# Allegro board MB1219_REVB_160112.brd (continued)
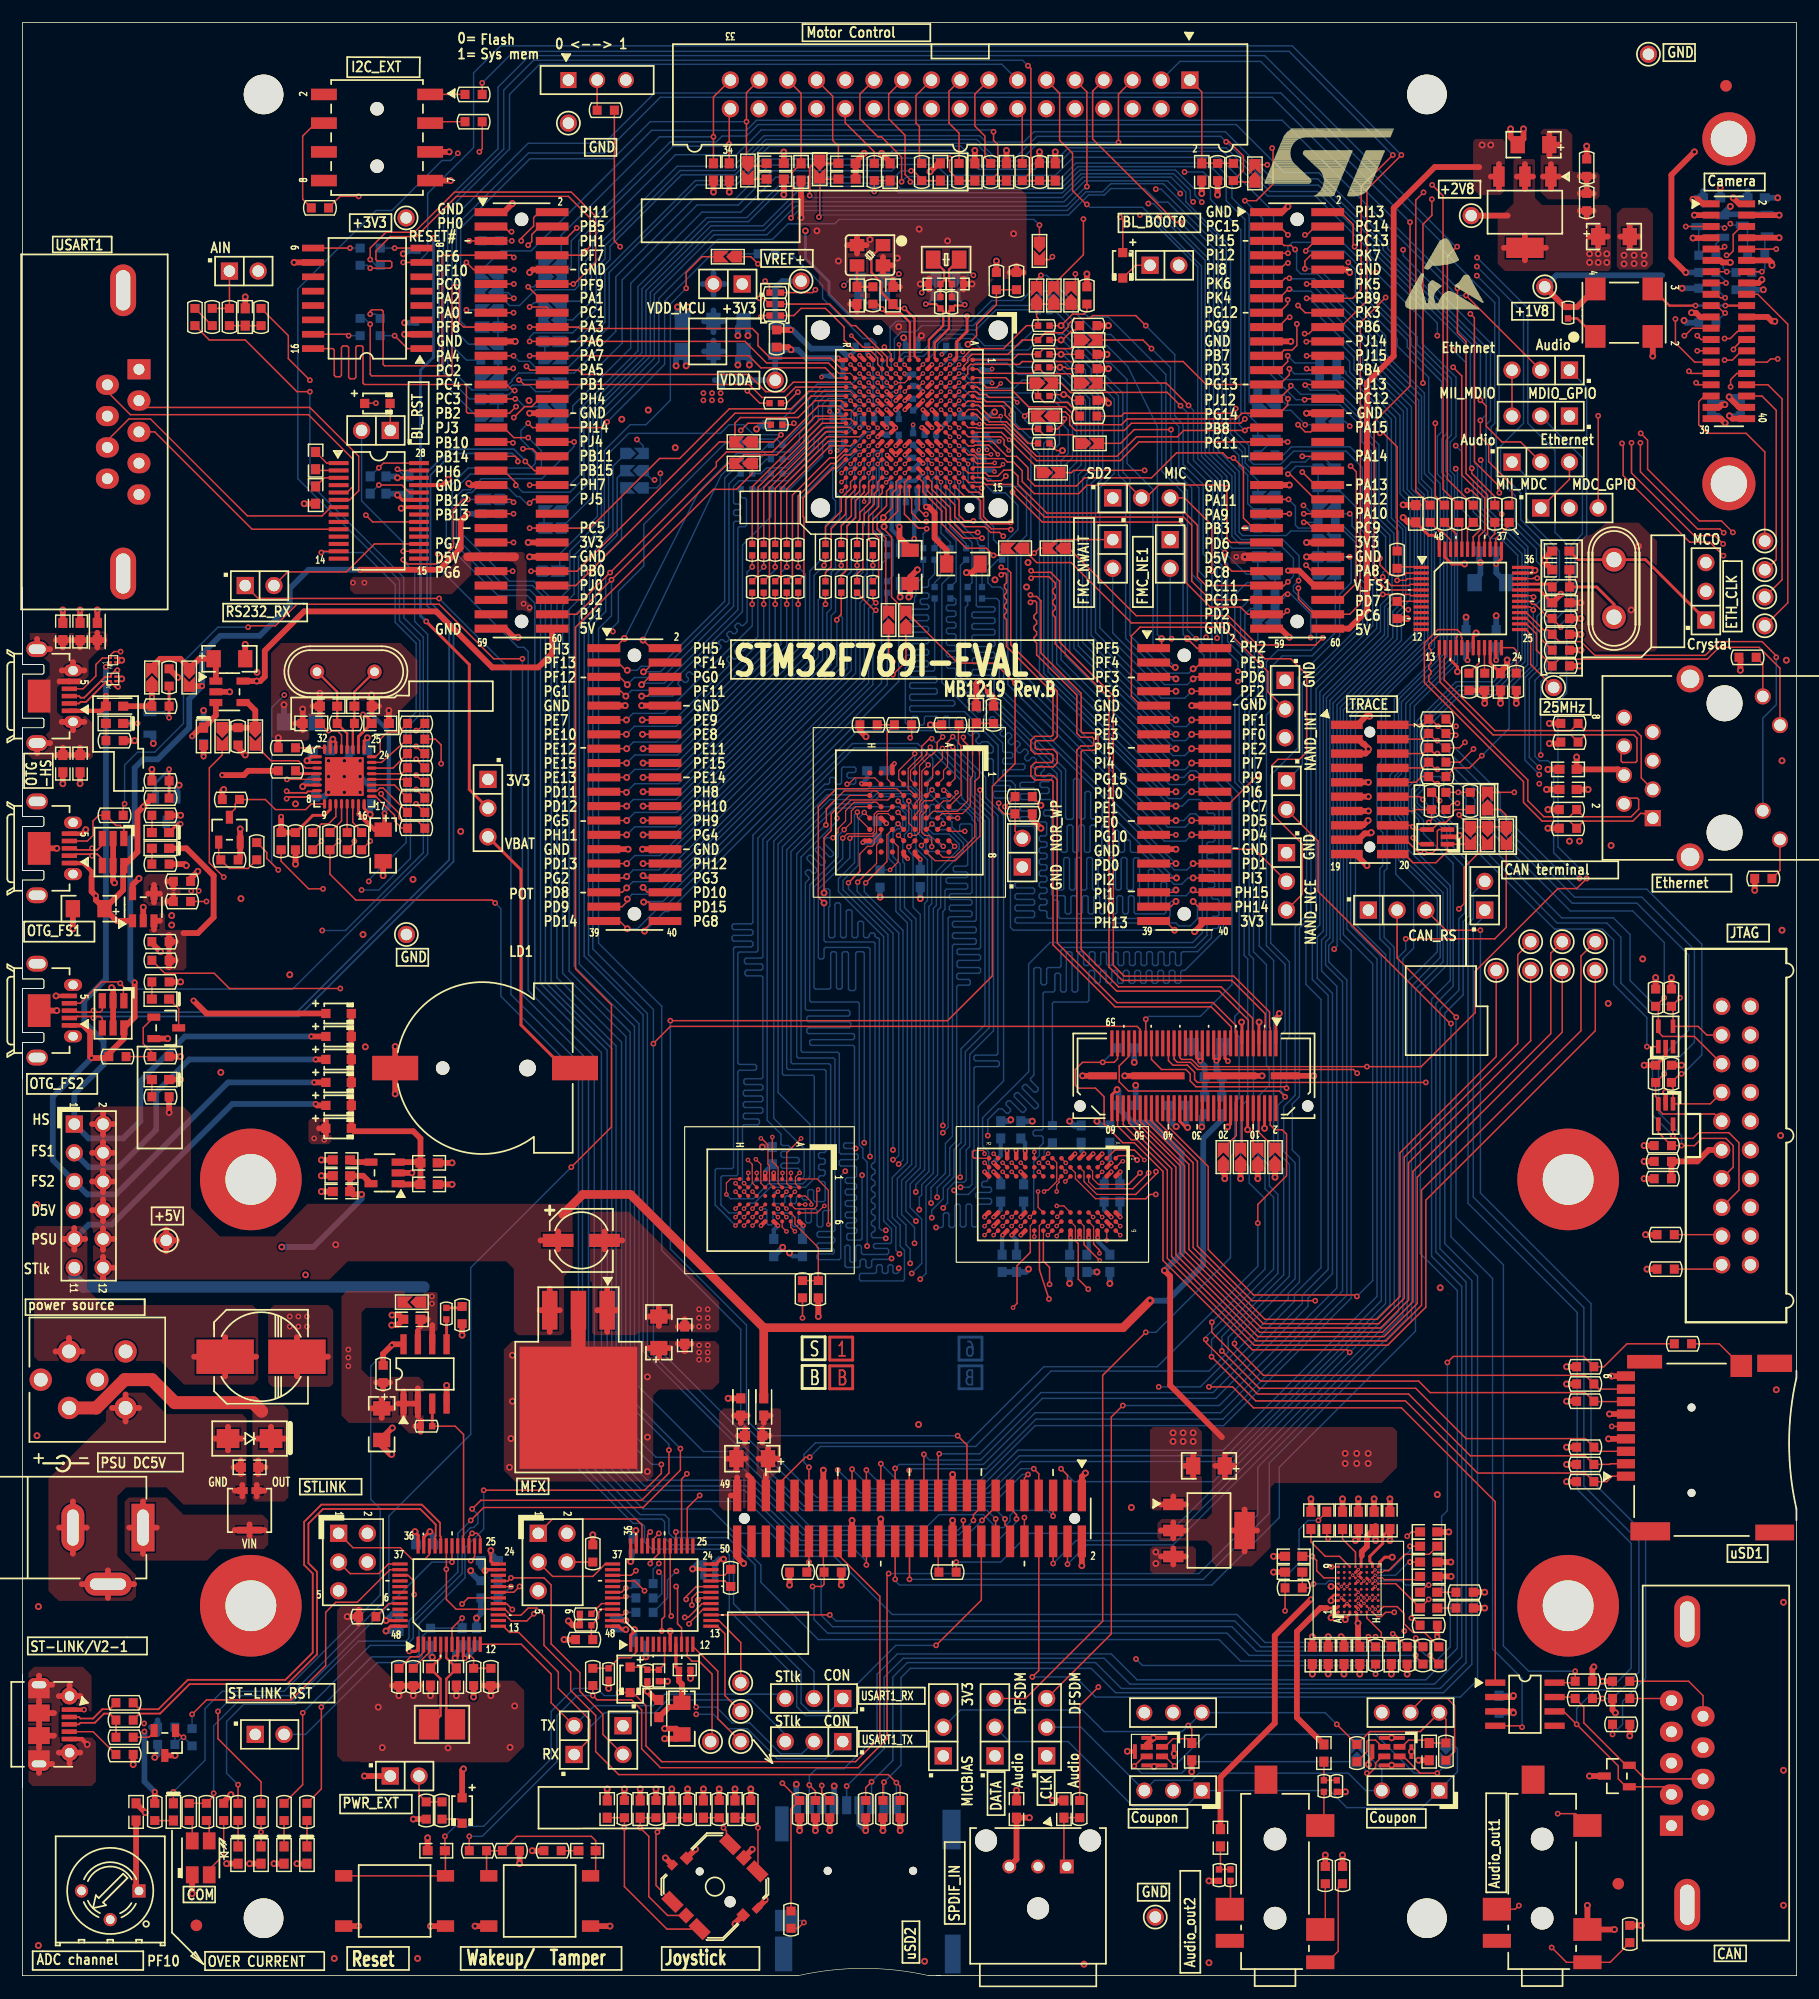
[diagram p0: board, top side]
## Routing (per net, layer and track width the routed paths; a pad name or vN(x,y) marks a point on that pad's centre or on a via; arc(x,y) is an arc through that point) (continued)
  L4_SIG w0.102: v5(81.33,108.53) 81.92,107.95 96.95,107.95 101.98,112.98 102.77,112.98 v4(103.38,113.59) ; v3(91.44,68.07) 91.06,68.45 84.46,68.45 84.45,68.46 84.06,68.46 83.49,67.89 v1(81.41,67.89) 79.93,67.89 79.66,68.17 71.07,68.17 70.97,68.07 v3(70.89,68.07)
  BOTTOM w0.127: v5(81.33,108.53) 81.33,108.51 83.92,105.92 83.92,104.36 85.85,102.43 85.85,83.57 83.74,81.46 83.74,73.33 83.44,73.03 83.44,70.36 83.25,70.17 82.42,70.17 81.79,69.54 81.79,68.33 81.41,67.94 v1(81.41,67.89) ; v4(103.38,113.59) 102.77,112.98 100.69,112.98 94.87,118.8 94.87,131.8 95.5,132.43 95.5,139.92 93.98,141.45 93.98,141.99 92.08,143.89 91.57,143.89 R243.2
A3: length 142.2
  TOP w0.102: 82.45,107.95 82.45,105.88 81.94,105.37 U9.A2 ; v3(92.2,70.23) U15.F3 ; U16.B3 v3(68.29,69.33)
  TOP w0.127: v5(82.25,108.66) 82.45,108.46 82.45,107.95 ; CN11.5 101.8,114.86 v4(101.98,114.68)
  L4_SIG w0.102: v3(92.2,70.23) 93.22,70.23 93.34,70.36 93.34,70.56 93.22,70.69 91.9,70.69 91.77,70.56 91.77,70.13 91.67,70.03 91.52,70.03 91.41,70.13 91.41,70.66 91.31,70.76 91.16,70.76 91.06,70.66 91.06,70.15 90.93,70.03 83.24,70.03 v1(82.93,69.72) 82.61,70.04 70.32,70.04 69.75,69.47 68.43,69.47 v3(68.29,69.33) ; v5(82.25,108.66) 82.25,108.69 82.6,109.04 83.41,109.04 83.97,109.6 96.77,109.6 101.85,114.68 v4(101.98,114.68)
  BOTTOM w0.127: v4(101.98,114.68) 101.12,114.68 97.54,118.26 97.54,132.08 96.9,132.72 96.9,139.7 95,141.6 95,142.24 92.08,145.16 91.57,145.16 R240.2 ; v1(82.93,69.72) 83.69,69.72 83.95,69.98 83.95,72.9 84.12,73.08 84.12,80.26 84.25,80.39 86.23,80.39 86.36,80.52 86.36,80.77 86.23,80.9 84.25,80.9 84.12,81.03 84.12,81.28 84.25,81.41 86.11,81.41 86.23,81.53 86.23,102.59 84.23,104.59 84.23,106.37 82.25,108.35 v5(82.25,108.66)
A4: length 143
  TOP w0.102: U16.B4 68.3,67.82 69.98,67.82 70.23,68.07 70.23,69.36 70.35,69.47 v3(70.35,69.52) ; U9.B2 81.43,105.89 81.43,106.58 81.79,106.93 81.79,107.95 ; v3(92.24,71.88) 92.2,71.92 92.2,71.94 U15.G1
  TOP w0.127: v5(82.25,109.58) 82.25,109.55 81.79,109.09 81.79,107.95 ; CN11.3 101.17,116.13 101.6,115.7 v4(101.93,115.7)
  L4_SIG w0.102: v4(101.93,115.7) 101.6,115.7 96.39,110.49 83.49,110.49 82.58,109.58 v5(82.25,109.58) ; v3(92.24,71.88) 93.73,71.88 93.85,71.75 93.85,69.82 93.73,69.7 83.54,69.7 83.11,69.27 82.61,69.27 82.44,69.44 v1(82.36,69.44) 82.07,69.74 70.61,69.74 70.39,69.52 v3(70.35,69.52)
  BOTTOM w0.127: R238.2 91.31,147.19 95.9,142.61 96.22,142.61 97.66,141.16 97.66,133.73 99.95,131.44 99.95,117.68 v4(101.93,115.7) ; v5(82.25,109.58) 82.68,109.14 82.68,108.46 82.96,108.18 85.17,105.97 85.17,104.19 86.74,102.62 86.74,79.12 84.51,76.89 84.51,72.92 84.33,72.74 84.33,69.77 83.64,69.09 82.72,69.09 v1(82.36,69.44)
A5: length 140.1
  TOP w0.102: U16.C3 v3(67.54,69.33) ; v3(92.22,71.1) 92.2,71.12 92.2,71.15 U15.G2 ; U9.D3 78.31,104.97 78.31,106.76 79.5,107.95
  TOP w0.127: v4(100.71,118.24) 100.71,117.6 100.51,117.4 CN11.1 ; v5(80.39,109.4) 80.19,109.4 79.5,108.71 79.5,107.95
  L4_SIG w0.102: v3(92.22,71.1) 93.38,71.1 93.5,71.22 93.5,71.38 93.38,71.5 91.76,71.5 91.66,71.4 91.66,71.17 91.56,71.07 91.36,71.07 91.26,71.17 91.26,71.38 91.13,71.5 90.95,71.5 90.83,71.38 90.83,71.12 90.7,70.99 90.37,70.99 90.25,70.87 90.25,70.74 90.37,70.61 90.65,70.61 90.78,70.48 90.78,70.36 90.65,70.23 84.56,70.23 84.18,70.61 v1(82.91,70.61) 82.65,70.36 70.31,70.36 69.75,69.8 68.01,69.8 v3(67.54,69.33) ; v5(80.39,109.4) 80.44,109.4 82.04,111 93.47,111 93.8,111.33 94.61,111.33 97.9,114.62 97.9,115.43 v4(100.71,118.24)
  BOTTOM w0.127: v4(100.71,118.24) 100.34,118.61 100.34,136.99 97.73,142.3 95.87,144.16 95.11,144.16 R237.2 ; v5(80.39,109.4) 80.87,108.92 80.87,108.36 81.28,107.95 83.54,105.69 83.54,104.2 85.47,102.27 85.47,83.82 83.36,81.71 83.36,73.52 82.91,73.06 v1(82.91,70.61)
A6: length 139.1
  TOP w0.102: U15.G3 91.64,70.47 91.64,70.15 91.44,69.94 v3(91.44,69.34) ; U16.C4 v3(67.54,67.83) ; U9.C3 v5(80.41,104.87)
  TOP w0.127: CN10.5 52.78,114.86 v4(53.47,114.17)
  L4_SIG w0.102: v3(67.54,67.83) 68.26,68.55 79.7,68.55 79.93,68.33 v1(80.33,68.33) 83.49,68.33 83.93,68.76 84.39,68.76 84.45,68.71 90.81,68.71 v3(91.44,69.34) ; v5(80.41,104.87) 78.52,104.87 69.72,113.67 54.48,113.67 53.98,114.17 v4(53.47,114.17)
  BOTTOM w0.127: v1(80.33,68.33) 80.33,69.7 81.6,70.97 81.6,73.6 82.22,74.22 82.22,91.08 82.35,91.21 84.2,91.21 84.33,91.34 84.33,91.59 84.2,91.72 82.35,91.72 82.22,91.85 82.22,92.1 82.35,92.23 84.2,92.23 84.33,92.35 84.33,92.61 84.2,92.74 82.35,92.74 82.22,92.86 82.22,93.12 82.35,93.24 84.2,93.24 84.33,93.37 84.33,101.88 83.95,102.26 83.95,102.49 83.31,103.12 82.17,103.12 81.74,103.55 81.74,103.73 81.8,103.79 81.8,103.97 81.62,104.15 81.44,104.15 81.38,104.09 81.2,104.09 80.42,104.87 v5(80.41,104.87) ; R259.2 66.04,132.84 65.41,132.21 63.37,132.21 62.87,131.7 62.87,130.27 62.99,130.14 63.37,130.14 63.5,130.02 63.5,129.76 63.37,129.63 62.99,129.63 62.87,129.51 62.87,129.25 62.99,129.13 63.37,129.13 63.5,129 63.5,128.75 63.37,128.62 62.99,128.62 62.87,128.49 62.87,121.11 56.57,114.81 54.1,114.81 v4(53.47,114.17)
A7: length 141.2
  TOP w0.102: U16.D4 v3(66.79,67.83) ; U9.A3 v5(81.45,104.83) ; U15.H1 91.44,71.91 91.44,70.23 90.68,69.47 90.45,69.47 v3(90.32,69.34)
  TOP w0.127: CN10.3 52.65,116.13 53.34,115.44 v4(53.47,115.44)
  L4_SIG w0.102: v3(66.79,67.83) 67.72,68.76 69.49,68.76 69.6,68.86 80.84,68.86 v1(80.87,68.83) 81.07,68.63 83.36,68.63 83.82,69.09 84.45,69.09 84.56,68.99 90.27,68.99 90.32,69.04 v3(90.32,69.34) ; v4(53.47,115.44) 54.13,114.78 70.64,114.78 79.88,105.54 80.74,105.54 v5(81.45,104.83)
  BOTTOM w0.127: v4(53.47,115.44) 54.34,115.44 54.69,115.8 56.34,115.8 62.08,121.54 62.08,132.44 63.12,133.48 65.15,133.48 65.79,134.11 R257.2 ; v1(80.87,68.83) 80.87,69.69 81.98,70.81 81.98,73.22 82.6,73.84 82.6,87.47 82.73,87.6 83.67,87.6 83.79,87.72 83.79,87.98 83.67,88.1 82.73,88.1 82.6,88.23 82.6,88.52 82.73,88.65 84.58,88.65 84.71,88.77 84.71,89.03 84.58,89.15 82.75,89.15 82.63,89.28 82.63,89.66 82.75,89.79 84.58,89.79 84.71,89.92 84.71,90.17 84.58,90.3 82.75,90.3 82.63,90.42 82.63,90.68 82.75,90.81 84.58,90.81 84.71,90.93 84.71,101.95 84.45,102.21 84.45,102.36 83.19,103.63 82.91,103.63 81.71,104.83 v5(81.45,104.83)
A8: length 145.4
  TOP w0.102: U9.B6 81.41,101.87 v5(81.41,101.88) ; U16.H2 v3(63.04,70.08) ; v3(90.66,71.89) U15.H2
  TOP w0.127: v4(54.9,115.3) 54.91,115.32 54.99,115.32 55.8,116.13 CN10.4
  L4_SIG w0.102: v5(81.41,101.88) 81.92,102.39 81.92,104.92 81.1,105.74 80.11,105.74 70.55,115.3 v4(54.9,115.3) ; v3(90.66,71.89) 90.66,72.18 90.27,72.57 90.27,74.68 89.87,75.08 88.47,75.08 88.37,75.18 88.37,75.64 88.27,75.74 88.06,75.74 87.96,75.64 87.96,75.18 87.86,75.08 87,75.08 86.87,75.21 86.87,76.23 86.74,76.35 86.59,76.35 86.46,76.23 86.46,75.84 86.33,75.72 86.08,75.72 85.98,75.82 85.98,76.23 85.86,76.35 85.69,76.35 85.57,76.23 85.57,75.82 85.47,75.72 85.27,75.72 85.17,75.82 85.17,76.23 85.05,76.35 84.88,76.35 84.76,76.23 84.76,75.82 84.66,75.72 84.45,75.72 84.35,75.82 84.35,76.23 84.23,76.35 84.07,76.35 83.95,76.23 83.95,75.82 83.85,75.72 83.64,75.72 83.54,75.82 83.54,76.23 83.42,76.35 83.25,76.35 83.13,76.23 83.13,75.82 83.03,75.72 82.83,75.72 82.73,75.82 82.73,76.33 82.61,76.45 82.44,76.45 82.32,76.33 82.32,75.82 82.22,75.72 81.99,75.72 81.86,75.84 81.86,76.33 81.74,76.45 81.5,76.45 81.37,76.33 v1(81.37,75.18) 64.9,75.18 63.37,73.66 63.37,70.94 63.04,70.61 v3(63.04,70.08)
  BOTTOM w0.127: v1(81.37,75.18) 81.37,94.09 81.56,94.28 81.56,95.96 81.69,96.09 83.44,96.09 83.57,96.22 83.57,96.47 83.44,96.6 81.79,96.6 81.66,96.72 81.66,96.98 81.79,97.1 83.44,97.1 83.57,97.23 83.57,97.49 83.44,97.61 82.42,97.61 82.3,97.74 82.3,97.99 82.42,98.12 83.44,98.12 83.57,98.25 83.57,100.2 82.18,101.59 82.18,102.02 81.33,102.87 80.85,102.87 80.72,103 80.72,103.45 80.59,103.58 80.34,103.58 80.21,103.45 80.21,102.46 80.34,102.34 81.28,102.34 81.41,102.21 v5(81.41,101.88) ; v4(54.9,115.3) 54.91,115.32 56.41,115.32 62.46,121.36 62.46,131.93 63.37,132.84 R260.2
A9: length 145.2
  TOP w0.102: v5(83.31,101.21) 82.07,101.21 U9.A6 ; v3(89.86,71.09) U15.J3 ; U16.H3 v3(63.04,69.33)
  TOP w0.127: CN10.18 v4(54.86,107.24)
  L4_SIG w0.102: v3(89.86,71.09) 89.86,71.34 90.22,71.7 90.22,72.21 89.92,72.52 89.92,74.6 89.79,74.73 86.56,74.73 86.46,74.83 86.46,75.29 86.36,75.39 86.15,75.39 86.05,75.29 86.05,74.74 85.93,74.63 85.76,74.63 85.64,74.74 85.64,75.29 85.52,75.41 85.36,75.41 85.24,75.29 85.24,74.8 85.12,74.68 84.95,74.68 84.83,74.8 84.83,75.29 84.71,75.41 84.54,75.41 84.42,75.29 84.42,74.54 84.31,74.42 84.14,74.42 84.02,74.54 84.02,75.29 83.9,75.41 83.73,75.41 83.61,75.29 83.61,74.54 83.49,74.42 83.32,74.42 83.21,74.54 83.21,75.29 83.09,75.41 82.92,75.41 82.8,75.29 82.8,74.55 82.67,74.42 82.45,74.42 82.32,74.55 82.32,75.29 82.19,75.41 81.97,75.41 81.84,75.29 81.84,74.68 81.71,74.55 v1(81.37,74.55) 64.9,74.55 63.75,73.41 63.75,70.93 63.43,70.61 63.43,69.72 v3(63.04,69.33) ; v4(54.86,107.24) 64.92,107.24 70.84,101.32 71.25,101.32 71.78,101.85 72.69,101.85 73.04,101.51 76.51,101.51 76.54,101.48 78.9,101.48 79.54,100.84 82.17,100.84 82.54,101.21 v5(83.31,101.21)
  BOTTOM w0.127: v5(83.31,101.21) 82.98,101.21 82.85,101.33 82.85,101.73 82.98,101.85 83.82,101.85 83.95,101.73 83.95,95.81 83.82,95.68 82.07,95.68 81.94,95.55 81.94,95.3 82.07,95.17 83.82,95.17 83.95,95.05 83.95,94.79 83.82,94.67 82.07,94.67 81.94,94.54 81.94,94.28 82.07,94.16 83.82,94.16 83.95,94.03 83.95,93.78 83.82,93.65 81.97,93.65 81.84,93.52 81.84,75.03 81.37,74.56 v1(81.37,74.55) ; R271.2 68.07,125.09 68.07,123.76 67.94,123.63 67.69,123.63 67.56,123.51 67.56,123.25 67.69,123.12 67.94,123.12 68.07,123 68.07,117.47 57.91,107.31 54.94,107.31 v4(54.86,107.24)
A10: length 143.7
  TOP w0.102: U16.H4 v3(63.04,67.83) ; U9.C6 79.93,101.37 v5(80.41,101.85) ; v3(91.48,67.11) U15.G7
  TOP w0.127: CN10.6 55.42,114.86 v4(54.74,114.17)
  L4_SIG w0.102: v3(91.48,67.11) 91.8,66.8 91.8,65.2 90.18,63.59 89.32,63.59 88.75,63.02 88.58,63.02 88.09,63.51 87.94,63.51 87.8,63.37 87.8,63.22 88.38,62.64 88.38,62.47 88.26,62.35 88.09,62.35 87.51,62.93 87.37,62.93 87.23,62.79 87.23,62.65 87.76,62.12 87.76,62.02 87.34,61.59 v1(79.38,61.59) 67.23,61.59 62.61,66.22 62.61,67.4 v3(63.04,67.83) ; v5(80.41,101.85) 80.8,102.25 80.8,105.03 80.57,105.26 79.65,105.26 70.74,114.17 v4(54.74,114.17)
  BOTTOM w0.127: v5(80.41,101.85) 80.92,101.35 81.99,101.35 83.19,100.15 83.19,99.44 81.18,97.43 81.18,94.49 80.91,94.22 80.91,70.82 79.88,69.79 79.88,62.1 v1(79.38,61.59) ; R262.2 63.5,130.81 63.63,130.68 63.88,130.68 64.01,130.56 64.01,128.27 63.88,128.14 63.37,128.14 63.25,128.02 63.25,120.8 56.74,114.3 54.86,114.3 v4(54.74,114.17)
A11: length 144.1
  TOP w0.102: U16.H5 v3(63.04,67.08) ; U9.D6 78.36,101.92 v5(78.36,103.89) ; v3(90.66,65.49) U15.H9
  TOP w0.127: v4(53.34,113.16) 52.91,113.59 CN10.7
  L4_SIG w0.102: v4(53.34,113.16) 53.98,112.52 53.98,112.14 54.48,111.63 55.56,111.63 55.67,111.73 55.67,111.91 55.77,112.01 55.97,112.01 56.07,111.91 56.07,111.73 56.17,111.63 56.38,111.63 56.48,111.73 56.48,111.91 56.58,112.01 56.78,112.01 56.89,111.91 56.89,111.73 56.99,111.63 57.19,111.63 57.29,111.73 57.29,111.91 57.39,112.01 57.6,112.01 57.7,111.91 57.7,111.73 57.8,111.63 58,111.63 58.1,111.73 58.1,111.91 58.21,112.01 58.41,112.01 58.51,111.91 58.51,111.73 58.61,111.63 58.82,111.63 58.92,111.73 58.92,111.91 59.02,112.01 59.22,112.01 59.32,111.91 59.32,111.73 59.43,111.63 59.63,111.63 59.73,111.73 59.73,111.91 59.83,112.01 60.03,112.01 60.14,111.91 60.14,111.73 60.24,111.63 60.44,111.63 60.54,111.73 60.54,111.91 60.64,112.01 60.85,112.01 60.95,111.91 60.95,111.73 61.05,111.63 61.25,111.63 61.36,111.73 61.36,111.91 61.46,112.01 61.66,112.01 61.76,111.91 61.76,111.73 61.86,111.63 62.07,111.63 62.17,111.73 62.17,111.91 62.27,112.01 62.47,112.01 62.57,111.91 62.57,111.73 62.68,111.63 71.25,111.63 78.36,104.52 v5(78.36,103.89) ; v3(90.66,65.49) 90.66,64.52 90.18,64.05 89.15,64.05 89.05,64.15 89.05,65.03 88.93,65.15 88.77,65.15 88.65,65.03 88.65,64.15 88.54,64.05 88.02,64.05 86.71,62.73 86.71,62.59 86.93,62.36 86.93,62.22 86.79,62.08 86.65,62.08 86.42,62.3 86.28,62.3 86.08,62.1 v1(78.61,62.1) 67.31,62.1 63.4,66.02 63.4,66.72 v3(63.04,67.08)
  BOTTOM w0.127: v4(53.34,113.16) 53.85,113.67 56.69,113.67 63.65,120.62 63.65,126.52 66.17,129.03 R261.2 ; v1(78.61,62.1) 79.5,62.99 79.5,66.9 78.49,67.92 78.49,70.01 79.76,71.28 79.76,94.82 80.01,95.07 80.01,98.68 78.99,99.69 78.99,100.84 78.87,100.97 78.87,103.38 v5(78.36,103.89)
A12: length 126
  TOP w0.102: v3(63.79,69.33) U16.G3 ; U9.B7 v5(81.41,99.87)
  TOP w0.127: v4(53.42,97.21) 53.29,97.08 CN10.33
  L4_SIG w0.102: v5(81.41,99.87) 81.41,99.87 81.41,98.68 79.78,97.05 75.41,97.05 75.08,97.38 55.68,97.38 55.02,96.72 54.28,96.72 53.8,97.21 v4(53.42,97.21)
  BOTTOM w0.127: v3(63.79,69.33) 64.77,70.31 68.72,70.31 69.11,70.7 69.11,73.13 66.42,75.82 66.42,100.33 70.99,104.9 74.68,104.9 74.93,105.16 78.52,105.16 79.63,104.05 79.63,101.47 81.23,99.87 v5(81.41,99.87) ; R279.2 73.66,122.17 73.66,115.19 56.26,97.79 54,97.79 v4(53.42,97.21)
A13: length 131.7
  TOP w0.102: v3(63.79,67.83) U16.G4 ; U9.A7 v5(82.41,99.87)
  TOP w0.127: v4(54.86,97.28) 55.07,97.08 CN10.34
  L4_SIG w0.102: v5(82.41,99.87) 81.95,100.33 81.31,100.33 80.9,99.92 80.9,98.81 79.48,97.38 75.59,97.38 75.26,97.71 55.45,97.71 55.02,97.28 v4(54.86,97.28)
  BOTTOM w0.127: R267.2 74.68,125.09 74.68,123.96 74.42,123.7 74.42,121.79 74.04,121.41 74.04,114.81 56.44,97.21 54.94,97.21 v4(54.86,97.28) ; v5(82.41,99.87) 81.96,99.42 80.16,99.42 79.88,99.69 79.88,100.33 79.12,101.09 79.12,103.89 78.49,104.52 75.5,104.52 74.99,104.01 71.37,104.01 67.18,99.82 67.18,79.76 67.31,79.63 69.88,79.63 70,79.5 70,70.51 69.22,69.72 66.12,69.72 64.72,68.33 64.29,68.33 v3(63.79,67.83)
A14: length 139.7
  TOP w0.102: U16.F3 v3(64.54,69.33) ; U15.J7 89.79,67.96 v3(89.79,69.34) ; v5(79.48,99.95) 79.49,99.95 U9.C7
  TOP w0.127: CN10.28 v4(54.86,100.89)
  L4_SIG w0.102: v3(64.54,69.33) 64.65,69.33 65.02,68.96 69.15,68.96 69.35,69.16 70.7,69.16 70.84,69.31 v1(78.98,69.31) 79.09,69.42 79.89,69.42 80,69.32 80,69.27 80.1,69.16 80.3,69.16 80.4,69.27 80.4,69.32 80.5,69.42 81.03,69.42 81.15,69.29 81.15,69.16 81.28,69.04 81.43,69.04 81.56,69.16 81.56,69.31 81.67,69.42 81.83,69.42 81.94,69.31 81.94,69.06 82.07,68.94 83.24,68.94 83.7,69.39 84.39,69.39 84.44,69.34 v3(89.79,69.34) ; v5(79.48,99.95) 78.84,99.31 78.21,99.31 77.57,98.68 68.2,98.68 65.99,100.89 65.02,100.89 64.92,100.79 64.92,100.05 64.82,99.95 64.62,99.95 64.51,100.05 64.51,100.79 64.41,100.89 64.21,100.89 64.11,100.79 64.11,100.05 64.01,99.95 63.8,99.95 63.7,100.05 63.7,100.79 63.6,100.89 63.4,100.89 63.3,100.79 63.3,100.05 63.19,99.95 62.99,99.95 62.89,100.05 62.89,100.79 62.79,100.89 62.58,100.89 62.48,100.79 62.48,100.05 62.38,99.95 62.18,99.95 62.08,100.05 62.08,100.79 61.97,100.89 61.77,100.89 61.67,100.79 61.67,100.05 61.57,99.95 61.37,99.95 61.26,100.05 61.26,100.79 61.16,100.89 60.96,100.89 60.86,100.79 60.86,100.05 60.76,99.95 60.55,99.95 60.45,100.05 60.45,100.79 60.35,100.89 60.15,100.89 60.04,100.79 60.04,100.05 59.94,99.95 59.74,99.95 59.64,100.05 59.64,100.79 59.54,100.89 59.33,100.89 59.23,100.79 59.23,100.05 59.13,99.95 58.93,99.95 58.83,100.05 58.83,100.79 58.72,100.89 58.52,100.89 58.42,100.79 58.42,100.05 58.32,99.95 58.11,99.95 58.01,100.05 58.01,100.79 57.91,100.89 57.71,100.89 57.61,100.79 57.61,100.05 57.5,99.95 57.3,99.95 57.2,100.05 57.2,100.79 57.1,100.89 56.89,100.89 56.79,100.79 56.79,100.05 56.69,99.95 56.49,99.95 56.39,100.05 56.39,100.79 56.29,100.89 56.08,100.89 55.98,100.79 55.98,100.05 55.88,99.95 55.68,99.95 55.57,100.05 55.57,100.79 55.47,100.89 v4(54.86,100.89)
  BOTTOM w0.127: v5(79.48,99.95) 79.48,99.72 80.39,98.81 80.39,94.79 80.14,94.54 80.14,71.12 78.98,69.96 v1(78.98,69.31) ; v4(54.86,100.89) 54.94,100.97 57.66,100.97 72.49,115.8 72.49,120.11 72.39,120.21 R280.2
A15: length 143
  TOP w0.102: U16.F4 v3(64.54,67.83) ; v3(90.66,66.29) U15.H8 ; U9.D7 78.91,100.37 78.37,99.83 v5(78.36,99.83)
  TOP w0.127: CN10.25 v4(53.42,102.16)
  L4_SIG w0.102: v4(53.42,102.16) 54.1,101.47 55.95,101.47 56.05,101.57 56.05,102.16 56.16,102.26 56.36,102.26 56.46,102.16 56.46,101.57 56.56,101.47 56.76,101.47 56.87,101.57 56.87,102.16 56.97,102.26 57.17,102.26 57.27,102.16 57.27,101.57 57.37,101.47 57.58,101.47 57.68,101.57 57.68,102.16 57.78,102.26 57.98,102.26 58.09,102.16 58.09,101.57 58.19,101.47 58.39,101.47 58.49,101.57 58.49,102.16 58.59,102.26 58.8,102.26 58.9,102.16 58.9,101.57 59,101.47 59.2,101.47 59.3,101.57 59.3,102.16 59.41,102.26 59.61,102.26 59.71,102.16 59.71,101.57 59.81,101.47 60.02,101.47 60.12,101.57 60.12,102.16 60.22,102.26 60.42,102.26 60.52,102.16 60.52,101.57 60.63,101.47 60.83,101.47 60.93,101.57 60.93,102.16 61.03,102.26 61.24,102.26 61.34,102.16 61.34,101.57 61.44,101.47 61.64,101.47 61.74,101.57 61.74,102.16 61.84,102.26 62.05,102.26 62.15,102.16 62.15,101.57 62.25,101.47 62.45,101.47 62.56,101.57 62.56,102.16 62.66,102.26 62.86,102.26 62.96,102.16 62.96,101.57 63.06,101.47 63.27,101.47 63.37,101.57 63.37,102.16 63.47,102.26 63.67,102.26 63.78,102.16 63.78,101.57 63.88,101.47 64.08,101.47 64.18,101.57 64.18,102.16 64.28,102.26 64.49,102.26 64.59,102.16 64.59,101.57 64.69,101.47 64.89,101.47 64.99,101.57 64.99,102.16 65.1,102.26 65.3,102.26 65.4,102.16 65.4,101.57 65.5,101.47 65.99,101.47 68.4,99.06 77.58,99.06 v5(78.36,99.83) ; v3(64.54,67.83) 64.93,67.44 67.69,67.44 69.37,67.44 69.88,66.93 78.74,66.93 78.94,66.73 v1(78.99,66.73) 79.12,66.6 80.7,66.6 80.92,66.83 84.01,66.83 84.83,67.65 89.36,67.65 89.48,67.52 89.48,66.42 89.61,66.29 89.84,66.29 89.97,66.42 89.97,66.52 90.09,66.65 90.3,66.65 90.53,66.42 90.53,66.41 90.65,66.29 v3(90.66,66.29)
  BOTTOM w0.127: R269.2 71.88,125.09 71.88,124.49 71.5,124.11 71.5,120.9 71.12,120.52 71.12,116.15 57.84,102.87 54.13,102.87 v4(53.42,102.16) ; v1(78.99,66.73) 78.11,67.61 78.11,70.17 79.38,71.44 79.38,93.85 78.74,94.49 78.74,99.06 78.36,99.44 v5(78.36,99.83)
A16: length 125.1
  TOP w0.102: v5(77.44,100.84) 77.44,100.83 U9.E7 ; v3(65.29,67.83) U16.E4
  TOP w0.127: CN10.21 53.34,104.7 v4(53.39,104.65)
  L4_SIG w0.102: v5(77.44,100.84) 76.43,99.82 68.91,99.82 64.72,104.01 54.1,104.01 53.47,104.65 v4(53.39,104.65)
  BOTTOM w0.127: v4(53.39,104.65) 53.39,104.67 54.13,105.41 57.99,105.41 69.6,117.02 69.6,124.21 R270.1 ; v3(65.29,67.83) 65.67,67.83 65.81,67.69 65.81,66.52 65.94,66.4 66.22,66.4 66.34,66.52 66.34,67.32 66.47,67.45 67.92,67.45 68.05,67.32 68.05,66.37 68.17,66.24 68.48,66.24 68.61,66.37 68.61,67.67 68.73,67.79 69.1,67.79 69.23,67.67 69.23,66.7 69.36,66.57 69.61,66.57 69.74,66.7 69.74,67.67 69.87,67.79 70.12,67.79 70.25,67.67 70.25,66.34 70.37,66.22 70.63,66.22 70.75,66.34 70.75,67.54 70.88,67.67 71.32,67.67 71.45,67.79 71.45,80.52 71.32,80.64 68.07,80.64 67.94,80.77 67.94,99.41 71.79,103.25 73.41,103.25 73.53,103.38 77.48,103.38 77.82,103.04 77.82,103.03 78.11,102.74 78.11,101.6 77.44,100.94 v5(77.44,100.84)
A17: length 125.8
  TOP w0.102: v5(78.46,100.84) 79.02,100.84 79.31,101.13 79.31,102.75 79.51,102.95 79.51,103.66 79.76,103.91 80.45,103.91 U9.B3 ; v3(66.79,69.33) U16.D3
  TOP w0.127: CN10.23 v4(53.42,103.43)
  L4_SIG w0.102: v4(53.42,103.43) 54.1,102.74 65.38,102.74 68.68,99.44 77.06,99.44 v5(78.46,100.84)
  BOTTOM w0.127: R281.2 70.36,121.67 70.36,116.59 57.78,104.01 54,104.01 v4(53.42,103.43) ; v5(78.46,100.84) 78.61,100.99 78.61,103.07 78.2,103.48 78.19,103.48 77.85,103.82 77.85,104.14 77.71,104.28 75.7,104.28 75.06,103.63 71.63,103.63 67.56,99.57 67.56,80.26 67.69,80.14 70.92,80.14 71.04,80.01 71.04,72.92 70.92,72.8 70.51,72.8 70.38,72.67 70.38,72.39 70.51,72.26 70.84,72.26 70.97,72.14 70.97,71.88 70.84,71.75 70.51,71.75 70.38,71.63 70.38,71.37 70.51,71.25 70.84,71.25 70.97,71.12 70.97,70.87 70.84,70.74 70.51,70.74 70.38,70.61 70.38,70.36 70.51,70.23 70.84,70.23 70.97,70.1 70.97,68.58 70.84,68.45 70.07,68.45 69.94,68.58 69.94,69.39 69.82,69.52 69.56,69.52 69.44,69.39 69.44,68.73 69.31,68.61 69.05,68.61 68.93,68.73 68.93,68.83 68.8,68.96 68.55,68.96 68.42,68.83 68.42,68.4 68.29,68.28 68.04,68.28 67.91,68.4 67.91,68.83 67.78,68.96 67.53,68.96 67.4,68.83 67.4,68.4 67.28,68.28 66.57,68.28 66.45,68.4 66.45,69.2 66.57,69.33 v3(66.79,69.33)
A18: length 132.5
  TOP w0.102: v3(62.23,69.09) 62.23,70.09 62.59,70.46 U16.H1 ; v5(80.39,99.85) 80.39,100.58 80.14,100.84 79.76,100.84 79.51,101.08 79.51,102.63 79.91,103.02 U9.C4
  TOP w0.127: CN10.31 v4(53.42,98.35)
  L4_SIG w0.102: v4(53.42,98.35) 53.98,97.79 55.02,97.79 55.45,98.22 79.57,98.22 80.39,99.05 v5(80.39,99.85)
  BOTTOM w0.127: v3(62.23,69.09) 62.61,68.71 64.62,68.71 65.94,70.03 68.98,70.03 69.62,70.67 69.62,75.29 66.8,78.11 66.8,100.08 71.16,104.43 74.84,104.43 75.2,104.79 78.56,104.79 79.38,103.98 79.38,101.35 80.39,100.33 v5(80.39,99.85) ; R268.2 73.28,125.09 73.28,124.18 72.89,123.79 72.89,115.59 56.36,99.06 54.13,99.06 v4(53.42,98.35)
A19: length 139.7
  TOP w0.102: v3(63.79,70.08) U16.G2 ; v5(80.08,107.08) 79.51,106.51 79.51,103.99 79.31,103.78 79.31,103.06 78.91,102.66 U9.D5
  TOP w0.127: R37.2 v4(91.73,142.24) 92.22,142.24 92.35,142.11 R38.2 ; CN11.13 v4(101.98,109.78)
  L4_SIG w0.102: v5(80.08,107.08) 80.35,106.81 98.17,106.81 101.14,109.78 v4(101.98,109.78)
  BOTTOM w0.127: v4(101.98,109.78) 101.85,109.78 93.73,117.91 93.73,132.46 94.36,133.1 94.36,139.45 92.84,140.97 92.84,141.13 v4(91.73,142.24) ; v5(80.08,107.08) 79.5,107.65 79.5,108.08 78.99,108.58 73.53,108.58 65.46,100.51 65.46,90.11 65.33,89.98 63.96,89.98 63.83,89.86 63.83,89.6 63.96,89.48 65.33,89.48 65.46,89.35 65.46,89.05 65.33,88.93 64.01,88.93 63.88,88.8 63.88,88.55 64.01,88.42 65.33,88.42 65.46,88.29 65.46,79.44 65.33,79.32 63.91,79.32 63.78,79.19 63.78,78.94 63.91,78.81 65.33,78.81 65.46,78.68 65.46,78.43 65.33,78.3 63.86,78.3 63.73,78.17 63.73,77.92 63.86,77.79 65.33,77.79 65.46,77.67 65.46,77.41 65.33,77.28 63.86,77.28 63.73,77.16 63.73,76.9 63.86,76.78 65.33,76.78 65.46,76.65 65.46,76.4 65.33,76.27 63.86,76.27 63.73,76.14 63.73,75.89 63.86,75.76 65.02,75.76 65.15,75.63 65.15,75.38 65.02,75.25 63.78,75.25 63.65,75.13 63.65,70.22 v3(63.79,70.08)
A20: length 139.8
  TOP w0.102: U9.D4 78.91,103.7 79.31,104.1 79.31,107 80.26,107.95 80.39,107.95 ; U16.H6 v3(63.04,66.33)
  TOP w0.127: v5(81.36,109.55) 80.87,109.07 80.87,108.43 80.39,107.95 ; CN11.11 v4(101.98,111.05) ; R35.2 v4(91.82,143.38) R36.2
  L4_SIG w0.102: v4(101.98,111.05) 101.02,111.05 97.54,107.57 81.66,107.57 80.85,108.38 80.85,109.04 v5(81.36,109.55)
  BOTTOM w0.127: v4(91.82,143.38) 91.95,143.38 93.6,141.73 93.6,141.29 95.12,139.77 95.12,132.59 94.49,131.95 94.49,118.52 101.96,111.05 v4(101.98,111.05) ; v3(63.04,66.33) 62.56,66.81 62.56,66.83 61.24,68.15 61.24,71.25 61.37,71.37 62.74,71.37 62.87,71.5 62.87,90.86 62.99,90.98 64.45,90.98 64.57,91.11 64.57,91.36 64.45,91.49 62.87,91.49 62.74,91.62 62.74,91.87 62.87,92 64.45,92 64.57,92.13 64.57,92.38 64.45,92.51 62.87,92.51 62.74,92.63 62.74,92.89 62.87,93.01 64.45,93.01 64.57,93.14 64.57,100.86 73.83,110.11 80.9,110.11 81.36,109.65 v5(81.36,109.55)
A21: length 76.6
  TOP w0.102: U9.C5 80.51,102.97 82.65,102.97 83.57,103.89 83.57,107.95
  TOP w0.127: R21.2 94.11,147.19 93.85,146.94 92.84,146.94 v4(91.82,145.92) R31.2 ; v5(83.19,109.52) 83.19,109.22 83.57,108.84 83.57,107.95 ; v4(103.5,115.57) 103.66,115.57 104.22,116.13 CN11.4
  L4_SIG w0.102: v5(83.19,109.52) 83.26,109.6 83.31,109.6 83.69,109.98 96.42,109.98 101.6,115.16 103.1,115.16 v4(103.5,115.57)
  BOTTOM w0.127: v4(91.82,145.92) 91.95,145.92 95.38,142.49 95.38,141.86 97.28,139.95 97.28,132.97 97.92,132.33 97.92,118.54 101.27,115.19 103.12,115.19 v4(103.5,115.57)
A22: length 73.9
  TOP w0.102: U9.B8 81.37,98.91 82.4,98.91 84.2,100.71 84.2,105.61 84.61,106.02 84.61,107.95
  TOP w0.127: 84.61,107.95 v5(84.61,108.48) ; R34.2 v4(91.82,144.65) 91.95,144.65 92.84,145.54 93.09,145.54 R32.2 ; CN11.7 v4(101.98,113.59)
  L4_SIG w0.102: v5(84.61,108.48) 96.88,108.48 v4(101.98,113.59)
  BOTTOM w0.127: v4(91.82,144.65) 91.95,144.65 94.49,142.11 94.49,141.48 96.52,139.45 96.52,132.84 95.25,131.57 95.25,119.2 100.86,113.59 v4(101.98,113.59)
A23: length 74.2
  TOP w0.102: U9.C8 80.68,98.6 82.47,98.6 84.66,100.79 v5(84.66,104.85)
  TOP w0.127: CN11.16 v4(103.38,108.51) ; R40.2 92.84,139.32 92.52,139.64 92.49,139.64 92.3,139.83 v4(92.06,139.83) 90.93,139.83 R39.2
  L4_SIG w0.102: v4(103.38,108.51) 102.9,108.99 101.63,108.99 97.92,105.28 85.09,105.28 v5(84.66,104.85)
  BOTTOM w0.127: v4(103.38,108.51) 102.77,107.9 101.7,107.9 92.58,117.02 92.58,133.22 93.22,133.86 93.22,138.94 92.44,139.72 92.16,139.72 v4(92.06,139.83)
AIN_1: length 3.8
  TOP w0.127: R181.2 R180.2 39.88,28.03 39.47,28.44 U21.10
BOOT0: length 77.2
  TOP w0.127: U4.E6 v3(81.21,139.29) ; v1(52.83,152.91) 52.32,153.42 R4.1
  L4_SIG w0.102: JP1.2 101.09,150.11 98.55,150.11 97.54,151.13 93.09,151.13 92.08,150.11 92.08,148.72 87.07,143.71 85.17,143.71 83.17,141.71 83.17,141.54 82.96,141.33 82.75,141.33 82.45,141.03 82.45,140.82 82.07,140.44 81.86,140.44 81.65,140.23 81.65,140.02 81.21,139.58 v3(81.21,139.29) 81.21,139.22 80.87,138.89 80.31,138.89 80.27,138.93 80.26,138.93 80.05,139.14 80.05,139.15 79.97,139.24 79.97,139.43 79.76,139.64 79.56,139.64 79.47,139.73 79.46,139.73 79.25,139.94 79.25,139.95 78.89,140.31 78.89,142.09 77.93,143.05 77.55,143.05 76.71,143.89 76.71,144.15 76.33,144.53 75.18,144.53 74.68,145.03 74.68,145.8 67.94,152.53 53.21,152.53 v1(52.83,152.91)
